# Altium PCB PCB1.PcbDoc (part 1 of 4)
Units mm, origin at the board's own origin, x right, y up, seen from the top; angles counter-clockwise.
Board outline 100 x 84 mm, 2 copper layers (Top Layer, Bottom Layer); 156 components, 105 nets, 544 pads, 320 vias.
Unrouted connection lines stored in the file: 2.
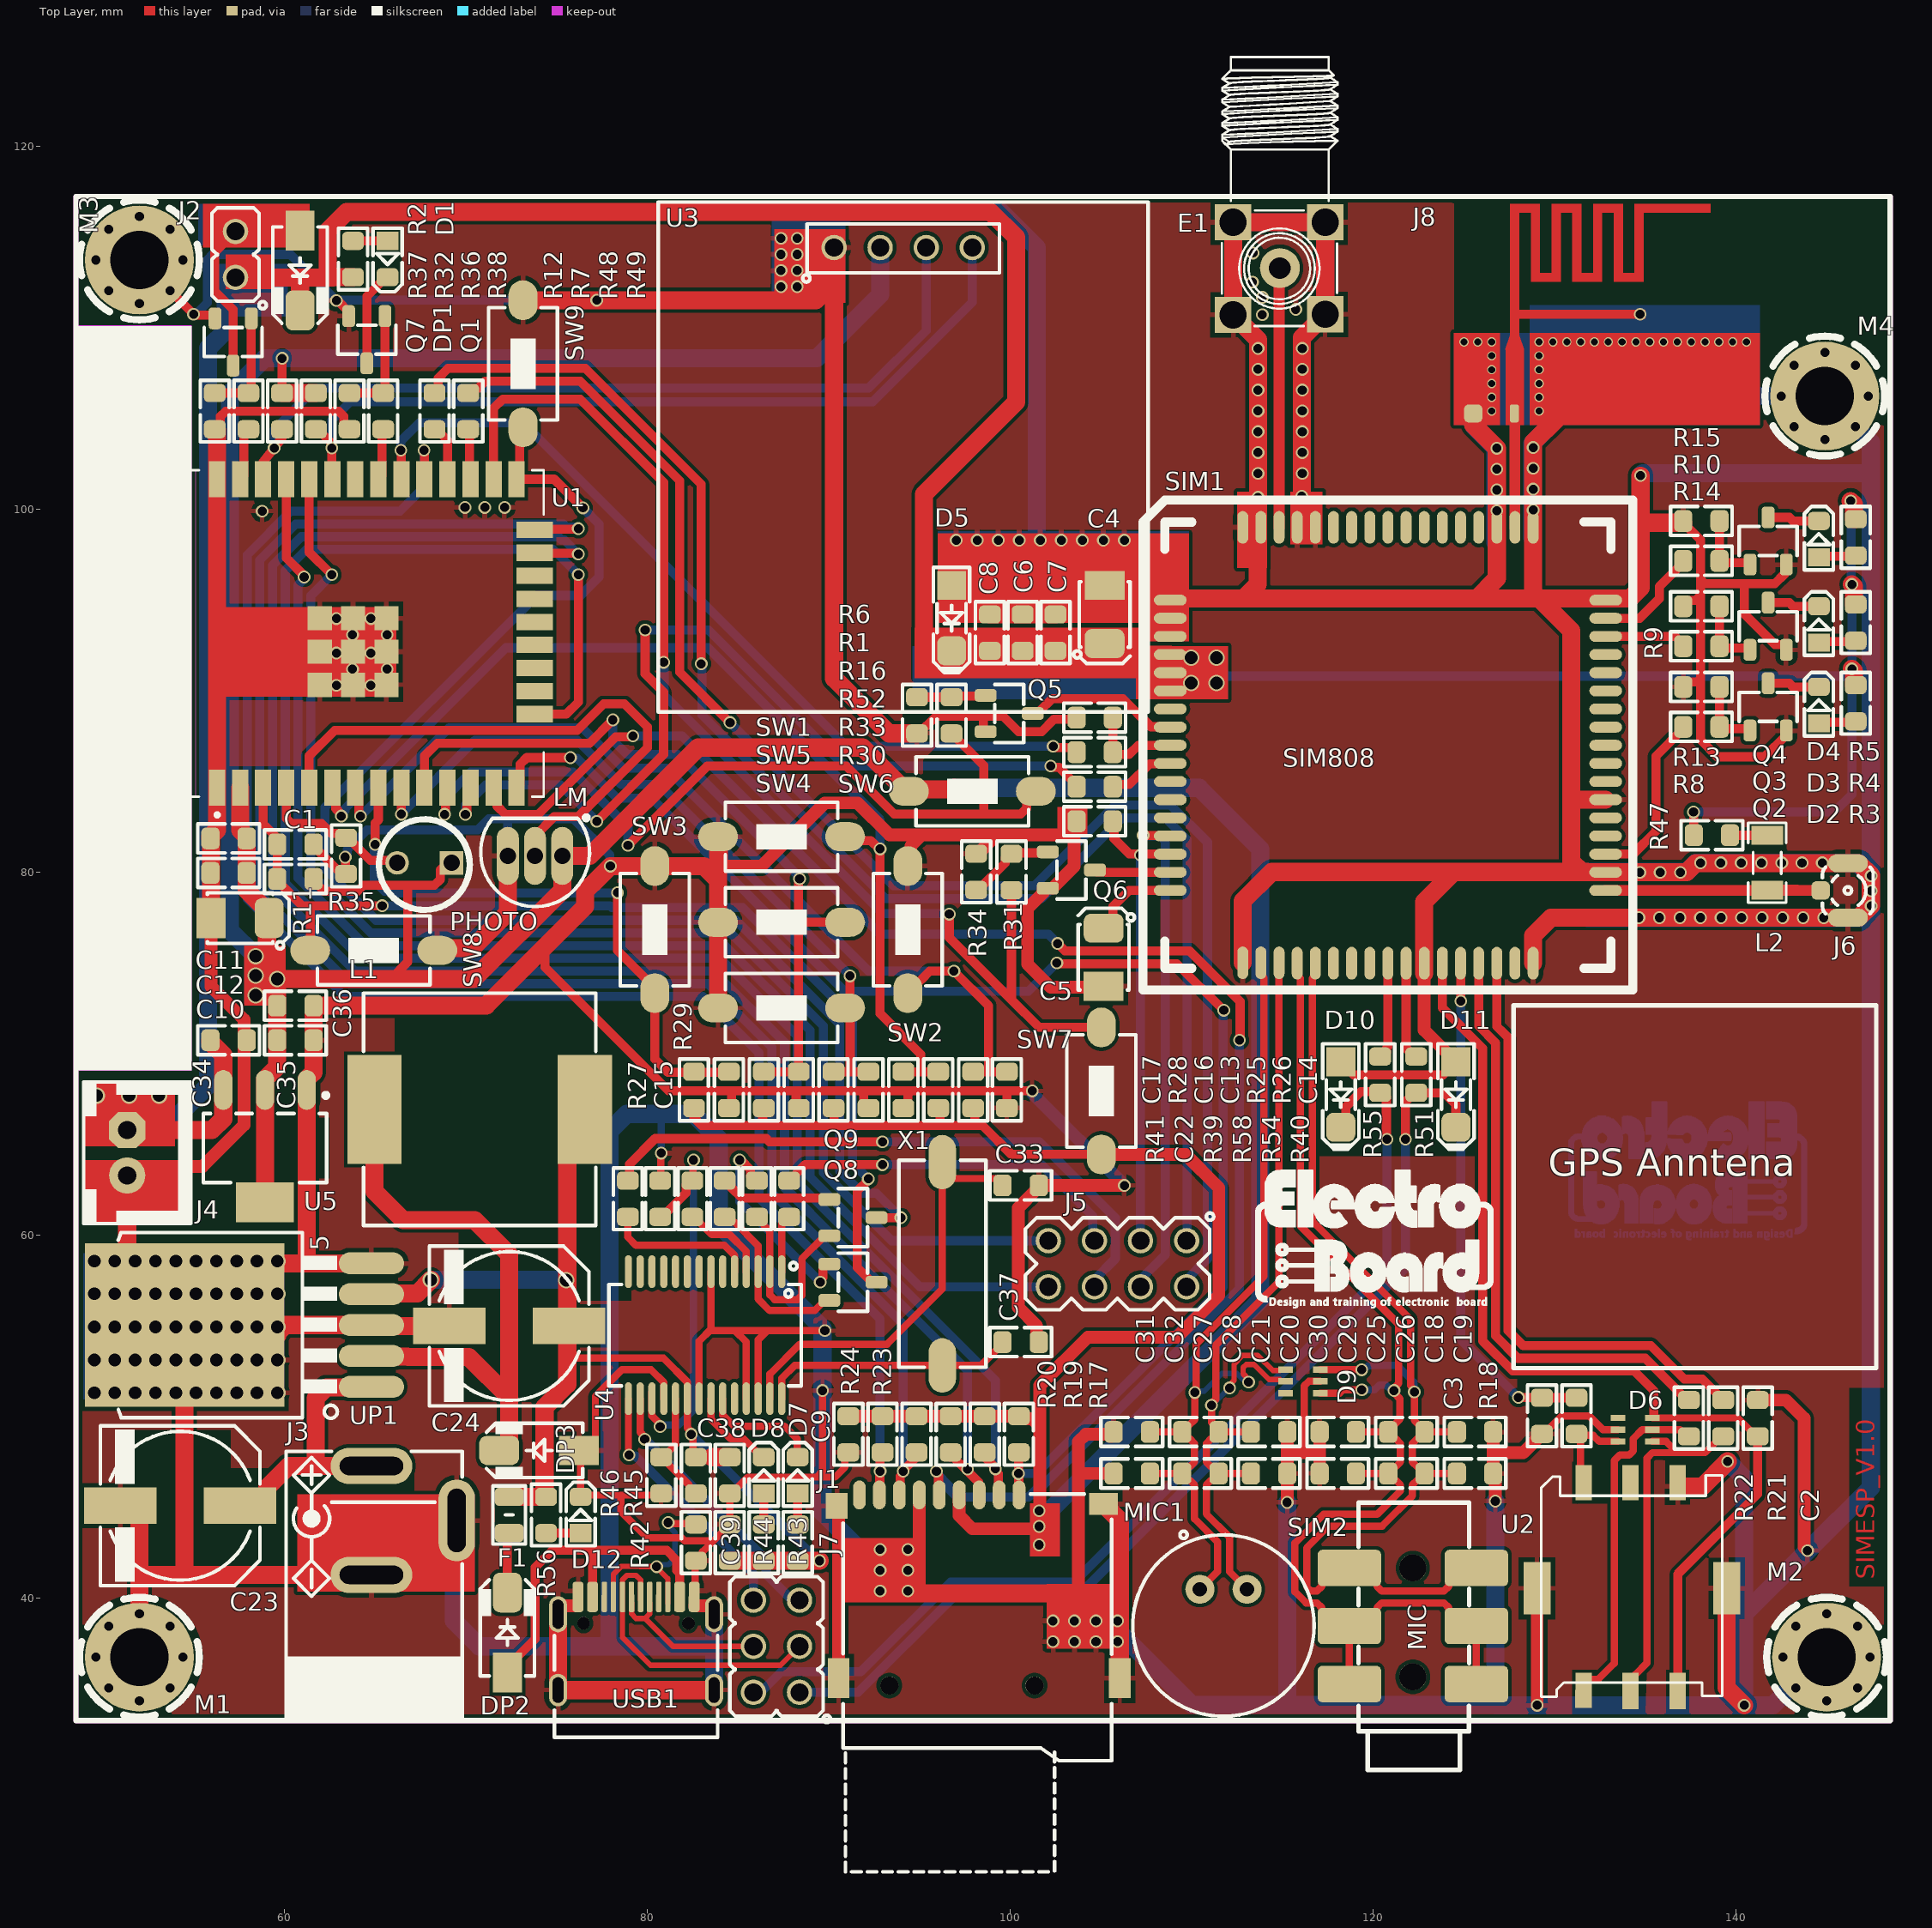
[diagram p0: Top Layer view]
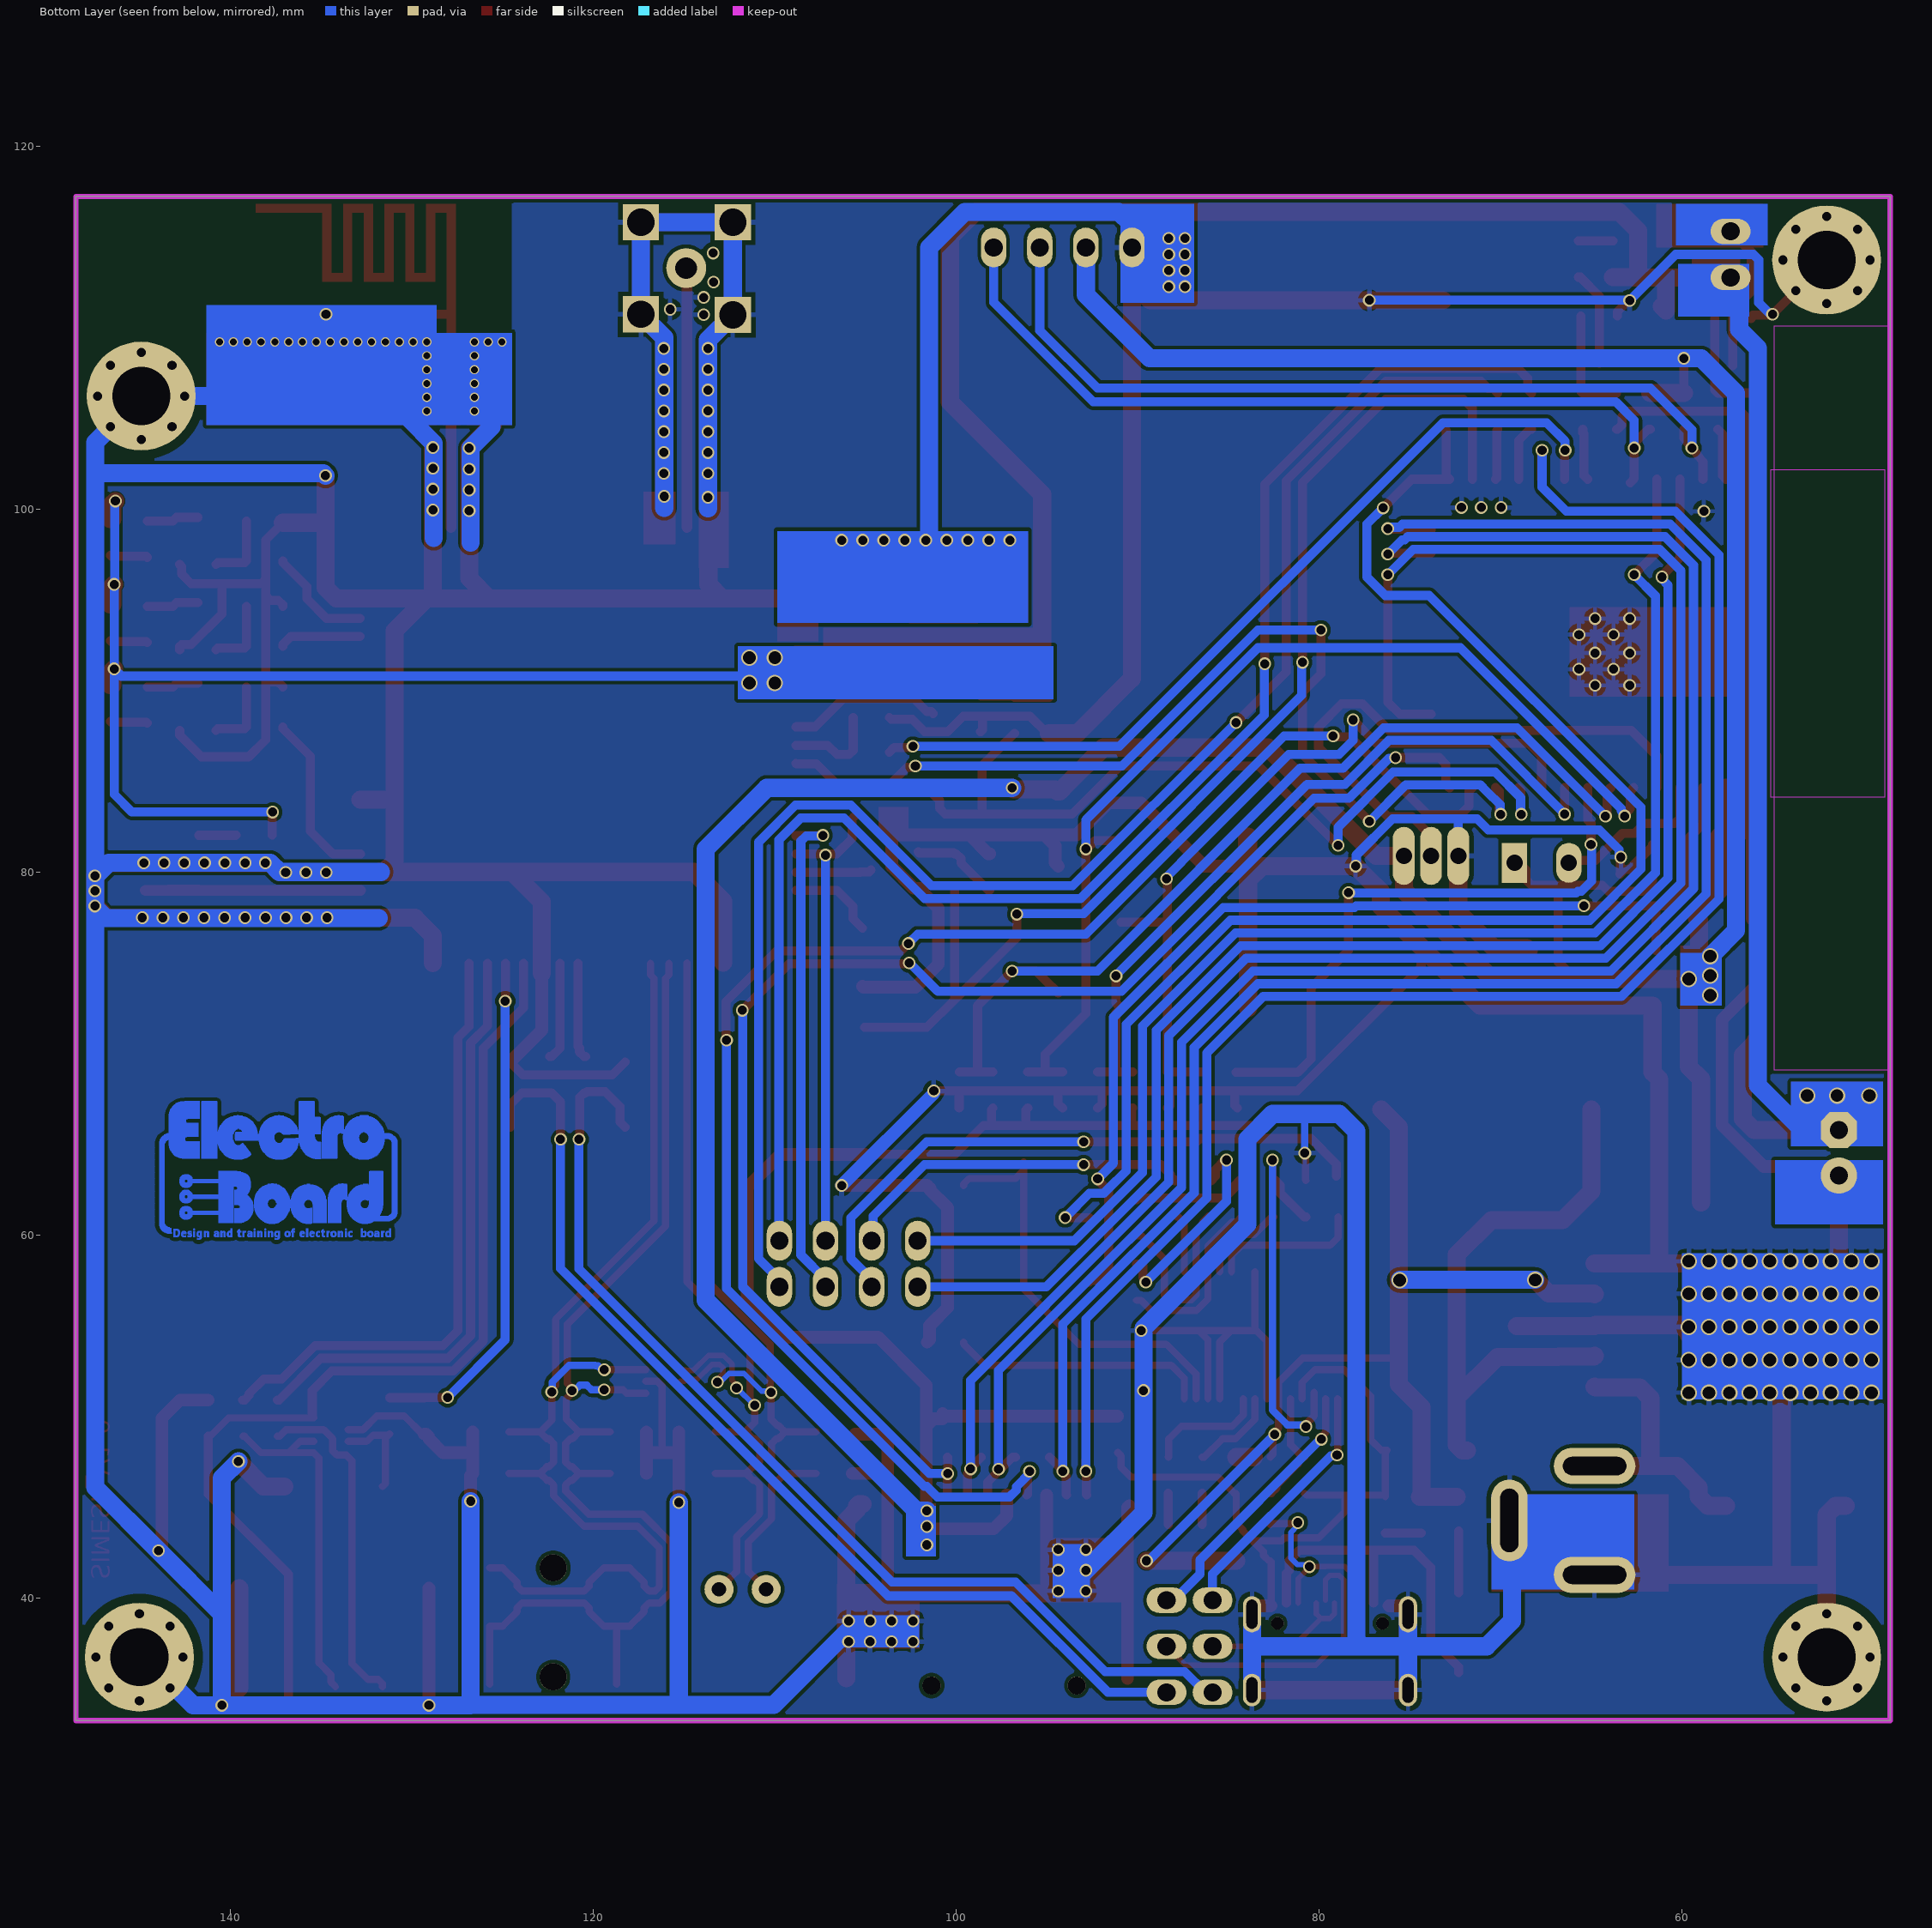
[diagram p1: Bottom Layer view, seen from below]

## Layer stack, top to bottom
Top Solder: solder mask 0.0102, Solder Resist, Dk 3.5
Top Layer: signal copper 0.0356
Dielectric 1: dielectric 0.32, FR-4, Dk 4.8
Bottom Layer: signal copper 0.0356
Bottom Solder: solder mask 0.0102, Solder Resist, Dk 3.5

## Board outline
48.506,33.241 48.506,117.241 148.506,117.241 148.506,33.241

## Design rules (kind name [scope] priority, off if disabled: settings)
Clearance [All] p1: gap=0.2 ignorepadtopadclearanceinfootprint=FALSE
ComponentClearance [All] p1: gap=0 collisioncheckmode=3 verticalgap=0 showdistances=FALSE
DiffPairsRouting [All] p1: maxlimit=1 minlimit=0.2 mostfreqgap=0.4 toplayer_minwidth=0.2 toplayer_maxwidth=1 toplayer_prefwidth=0.4 bottomlayer_minwidth=0.2 bottomlayer_maxwidth=1 bottomlayer_prefwidth=0.4 maxuncoupledlength=12.7
PolygonConnect [All] p1: connectstyle=Relief reliefconductorwidth=0.254 reliefentries=4 polygonreliefangle="90 Angle" airgapwidth=0.254
RoutingVias [All] p1: holewidth=0.5 width=0.7 viastyle="Through Hole" minholewidth=0.5 minwidth=0.7 maxholewidth=0.7 maxwidth=0.9
SolderMaskExpansion [All] p1: expansion=0.102 istentingtop=FALSE
UnRoutedNet [All] p1: checkbadconnections=TRUE
Width Width_1 [(InNet('3V3') OR InNet('5V') OR InNet('VBAT'))] p1: maxlimit=2 minlimit=0.4 preferedwidth=1
Width [All] p2: maxlimit=1 minlimit=0.254 preferedwidth=0.5
27 further rules are at their usual default settings.

## Classes and differential pairs
differential pair SPK: +SPK_P -SPK_N
differential pair MIC: +MIC_P -MIC_N

## Components (designator, comment, footprint, x,y, rotation, side; value= is the part's Value field where it differs from the comment)
C1 "100nF" C0805#1 60.604,81.534 r0 top
C2 "1uF" C0805#1 141.211,49.911 r270 top
C3 "22pF" C0805#1 129.311,50.038 r90 top
C4 "100uF" C_TN_3528 105.207,94.202 r90 top
C5 "100uF" C_TN_3528 105.156,75.311 r270 top
C6 "10uF" C0805#1 100.69,93.202 r270 top
C7 "33pF" C0805#1 102.499,93.202 r270 top
C8 "10pF" C0805#1 98.882,93.202 r270 top
C9 "1uF" C0805#1 91.084,49.022 r270 top
C10 "100uF" C_TN_3528 57.556,77.47 r180 top
C11 "10uF" C0805#1 56.921,81.864 r180 top
C12 "100nF" C0805#1 56.921,79.959 r180 top
C13 "1uF" C0805#1 94.115,68 r90 top
C14 "1uF" C0805#1 99.822,68 r90 top
C15 "1uF" C0805#1 84.499,68 r90 top
C16 "1uF" C0805#1 92.192,68 r90 top
C17 "1uF" C0805#1 88.345,68 r90 top
C18 "33pF" C0805#1 125.628,49.149 r0 top
C19 "10pF" C0805#1 125.628,46.863 r180 top
C20 "33pF" C0805#1 114.275,46.863 r0 top
C21 "10pF" C0805#1 114.275,49.149 r0 top
C22 "100nF" C0805#2 80.708,62 r90 top
C23 "470uF 16V" C_EL_8 54.254,45.085 r180 top
C24 "470uF 16V" C_EL_8 72.39,54.991 r180 top
C25 "33pF" C0805#1 121.844,49.149 r0 top
C26 "10pF" C0805#1 121.844,46.863 r0 top
C27 "33pF" C0805#1 110.49,49.149 r0 top
C28 "10pF" C0805#1 110.49,46.863 r0 top
C29 "33pF" C0805#1 118.059,46.863 r0 top
C30 "10pF" C0805#1 118.059,49.149 r0 top
C31 "33pF" C0805#1 106.705,49.149 r0 top
C32 "10pF" C0805#1 106.705,46.863 r0 top
C33 "22pF" C0805#2 100.584,62.738 r0 top
C34 "22pF" C0805#1 56.921,70.739 r180 top
C35 "100nF" C0805#1 60.604,70.739 r180 top
C36 "10uF" C0805#1 60.604,72.644 r180 top
C37 "22pF" C0805#2 100.584,54.102 r0 top
C38 "100nF" C0805#2 84.548,46.763 r90 top
C39 "4.7uF" C0805#2 84.548,43.053 r270 top
D1 "LED805RED" LED0805RED 65.684,113.792 r270 top
D2 "LED805RED" LED0805RED 144.577,89.211 r90 top
D3 "LED805RED" LED0805RED 144.577,93.656 r90 top
D4 "LED805RED" LED0805RED 144.577,98.355 r90 top
D5 "5V1" D_SOD80 96.774,94.002 r270 top
D6 "SMF05C" SMF05C 133.512,49.921 r270 top
D7 "LED805RED" LED0805RED 88.29,46.763 r90 top
D8 "LED805RED" LED0805RED 86.419,46.763 r90 top
D9 "SMF05C" SMF05C 117.079,51.298 r90 top
D10 "5V1" D_SOD80 118.225,67.742 r270 top
D11 "5V1" D_SOD80 124.575,67.742 r270 top
D12 "LED805RED" LED0805RED 76.327,44.577 r90 top
DP1 "1N5822" 430X270D 60.858,113.157 r270 top
DP2 "1N5822" 430X270D 72.288,38.1 r90 top
DP3 "1N5822" 430X270D 74.041,48.133 r180 top
E1 "Antenna" SMA_Right 114.867,113.292 r270 top
F1 "FUSE500mA" F0805 72.39,44.577 r270 top
J1 "SD_MICRO" SDMICRO_AT 98.295,40.429 r180 top
J2 "HDRM2" HDR_M_1X2 57.302,114.046 r90 top
J3 "DC_POWER_JACK" JAC_PWR2 64.795,47.275 r180 top
J4 "HHDR_2" XH_2 51.333,64.536 r270 top
J5 "HDRM_2X4" HDR_M_2X4 105.918,58.42 r180 top
J6 "U.FL" UFL 146.177,78.994 r270 top
J7 "HDRM_2X3" HDR_M_2X3 87.122,37.338 r90 top
J8 "U.FL" 2.4Ghz 124.46,104.648 r0 top
L1 "1000uH" L_12 70.764,66.929 r0 top
L2 "10uH" IND1206 141.732,80.518 r90 top value=1u
LM "LM35" TO-92B 73.812,80.899 r180 top (schematic designator LM1)
M1 "DNP/MH" SCMH_M3 52.006,36.741 r0 top locked
M2 "DNP/MH" SCMH_M3 145.006,36.741 r0 top locked
M3 "DNP/MH" SCMH_M3 52.006,113.741 r0 top locked
M4 "DNP/MH" SCMH_M3 144.905,106.241 r0 top locked
MIC1 "MIC_WM52" MIC_C9 111.76,38.481 r90 top
PHOTO "PHOTOSEL" PHOTOSEL_3mm 69.215,80.518 r180 top (schematic designator PHOTOSEL1)
Q1 "S8050" SOT23_3 64.541,109.347 r270 top
Q2 "S8050" SOT23_3 141.783,89.111 r90 top
Q3 "S8050" SOT23_3 141.783,93.556 r90 top
Q4 "S8050" SOT23_3 141.783,98.255 r90 top
Q5 "S8050" SOT23_3 99.949,88.746 r0 top
Q6 "S8050" SOT23_3 103.378,80.118 r0 top
Q7 "S8050" SOT23_3 57.175,109.22 r270 top
Q8 "S8050" SOT23_3 91.338,57.404 r0 top
Q9 "S8050" SOT23_3 91.338,60.96 r0 top
R1 "1K" R0805 104.664,86.614 r0 top
R2 "1K" R0805 63.779,113.792 r270 top
R3 "1K" R0805 146.609,89.311 r90 top
R4 "1K" R0805 146.609,93.756 r90 top
R5 "1K" R0805 146.609,98.455 r90 top
R6 "5K6" R0805 104.664,88.519 r0 top
R7 "4K7" R0805 65.446,105.41 r90 top
R8 "4K7" R0805 138.1,88.011 r0 top
R9 "4K7" R0805 138.1,92.456 r0 top
R10 "4K7" R0805 138.1,97.155 r0 top
R11 "1K" R0805 60.604,79.629 r180 top
R12 "47K" R0805 63.589,105.41 r90 top
R13 "47K" R0805 138.1,90.211 r0 top
R14 "47K" R0805 138.1,94.656 r0 top
R15 "47K" R0805 138.1,99.355 r0 top
R16 "1K" R0805 104.664,84.709 r180 top
R17 "47K" R0805 100.482,49.022 r90 top
R18 "22" R0805 131.216,50.038 r90 top
R19 "47K" R0805 98.603,49.022 r90 top
R20 "47K" R0805 96.723,49.022 r90 top
R21 "22" R0805 139.306,49.911 r270 top
R22 "22" R0805 137.414,49.911 r270 top
R23 "47K" R0805 94.844,49.022 r90 top
R24 "47K" R0805 92.964,49.022 r90 top
R25 "10K" R0805 96.038,68 r270 top
R26 "10K" R0805 97.962,68 r270 top
R27 "10K" R0805 82.575,68 r270 top
R28 "10K" R0805 90.269,68 r270 top
R29 "10K" R0805 86.422,68 r270 top
R30 "4.7K" R0805 96.774,88.646 r90 top
R31 "4.7K" R0805 100.076,80.01 r90 top
R32 "4.7K" R0805 58.017,105.41 r90 top
R33 "47K" R0805 94.869,88.646 r90 top
R34 "47K" R0805 98.129,80.018 r270 top
R35 "4.7K" R0805 63.398,80.899 r90 top
R36 "10K" R0805 59.874,105.41 r270 top
R37 "47K" R0805 56.159,105.41 r90 top
R38 "4.7K" R0805 61.732,105.41 r90 top
R39 "0" R0805 82.486,62 r270 top
R40 "1K" R0805 87.82,62 r270 top
R41 "1K" R0805 78.93,62 r270 top
R42 "5K1" R0805 82.677,43.053 r90 top
R43 "1K" R0805 88.29,43.053 r90 top
R44 "1K" R0805 86.419,43.053 r90 top
R45 "4K7" R0805 82.677,46.763 r90 top
R46 "10K" R0805 80.772,46.763 r90 top
R47 "1K" R0805 138.684,82.042 r0 top
R48 "1K" R0805 68.272,105.41 r270 top
R49 "1K" R0805 70.129,105.41 r90 top
R51 "22" R0805 122.386,68.842 r90 top
R52 "5K6" R0805 104.664,82.804 r0 top
R54 "10K" R0805 86.042,62 r90 top
R55 "22" R0805 120.396,68.842 r90 top
R56 "1K" R0805 74.422,44.577 r270 top
R58 "10K" R0805 84.264,62 r90 top
SIM1 "sim808" sim808_fp 120.828,86.995 r0 top
SIM2 "AUDIO_35mm" AUDIO_JACK2 122.199,38.456 r90 top
SW1 "PUSHBUTTON" SWPBS_SPST_6X3X5 87.401,81.957 r0 top
SW2 "PUSHBUTTON" SWPBS_SPST_6X3X5 94.361,76.835 r270 top
SW3 "PUSHBUTTON" SWPBS_SPST_6X3X5 80.416,76.835 r270 top
SW4 "PUSHBUTTON" SWPBS_SPST_6X3X5 87.401,72.517 r0 top
SW5 "PUSHBUTTON" SWPBS_SPST_6X3X5 87.401,77.237 r0 top
SW6 "PUSHBUTTON" SWPBS_SPST_6X3X5 97.917,84.455 r0 top
SW7 "PUSHBUTTON" SWPBS_SPST_6X3X5 105.029,67.945 r90 top
SW8 "PUSHBUTTON" SWPBS_SPST_6X3X5 64.922,75.692 r0 top
SW9 "PUSHBUTTON" SWPBS_SPST_6X3X5 73.152,108.021 r90 top
U1 "ESP32-WROOM-32D" MODULE_ESP32-WROOM-32D 61.546,93.158 r90 top
U2 "SIM CARD 6 PIN" "SIM CARD 6 PIN nano" 134.645,40.132 r180 top
U3 "OLED_SSD1306" OLED_SSD1306_64_I2C 94.107,114.427 r0 top
U4 "FT232RL" SOG65_28_W 83.185,54.483 r270 top
U5 "LM1117-3.3V" LM1117_SMD_SOT-223_3.3V 59.08,65.151 r90 top
UP1 "LM2576S-5.0" D2PAK_5 64.795,55.042 r90 top
USB1 "USB4105" USBC_SMD_16_USB4105 79.382,39.725 r180 top
X1 "XTL_8MHz" XTL_2_11X5 96.266,58.42 r90 top
